# Altium PCB Spektrop2_PCB_Combined_CMV4000_V1.PcbDoc (part 6 of 6)
Units mm, origin at the board's own origin, x right, y up, seen from the top; angles counter-clockwise.
Board outline 87 x 42 mm, 8 copper layers (TOP, L1-GND, L2, L3-1V8, L4-PWR, L5, L6-P2V5, BTM), stack 1.588 mm thick; 353 components, 311 nets, 2431 pads, 951 vias.
Unrouted connection lines stored in the file: 2.
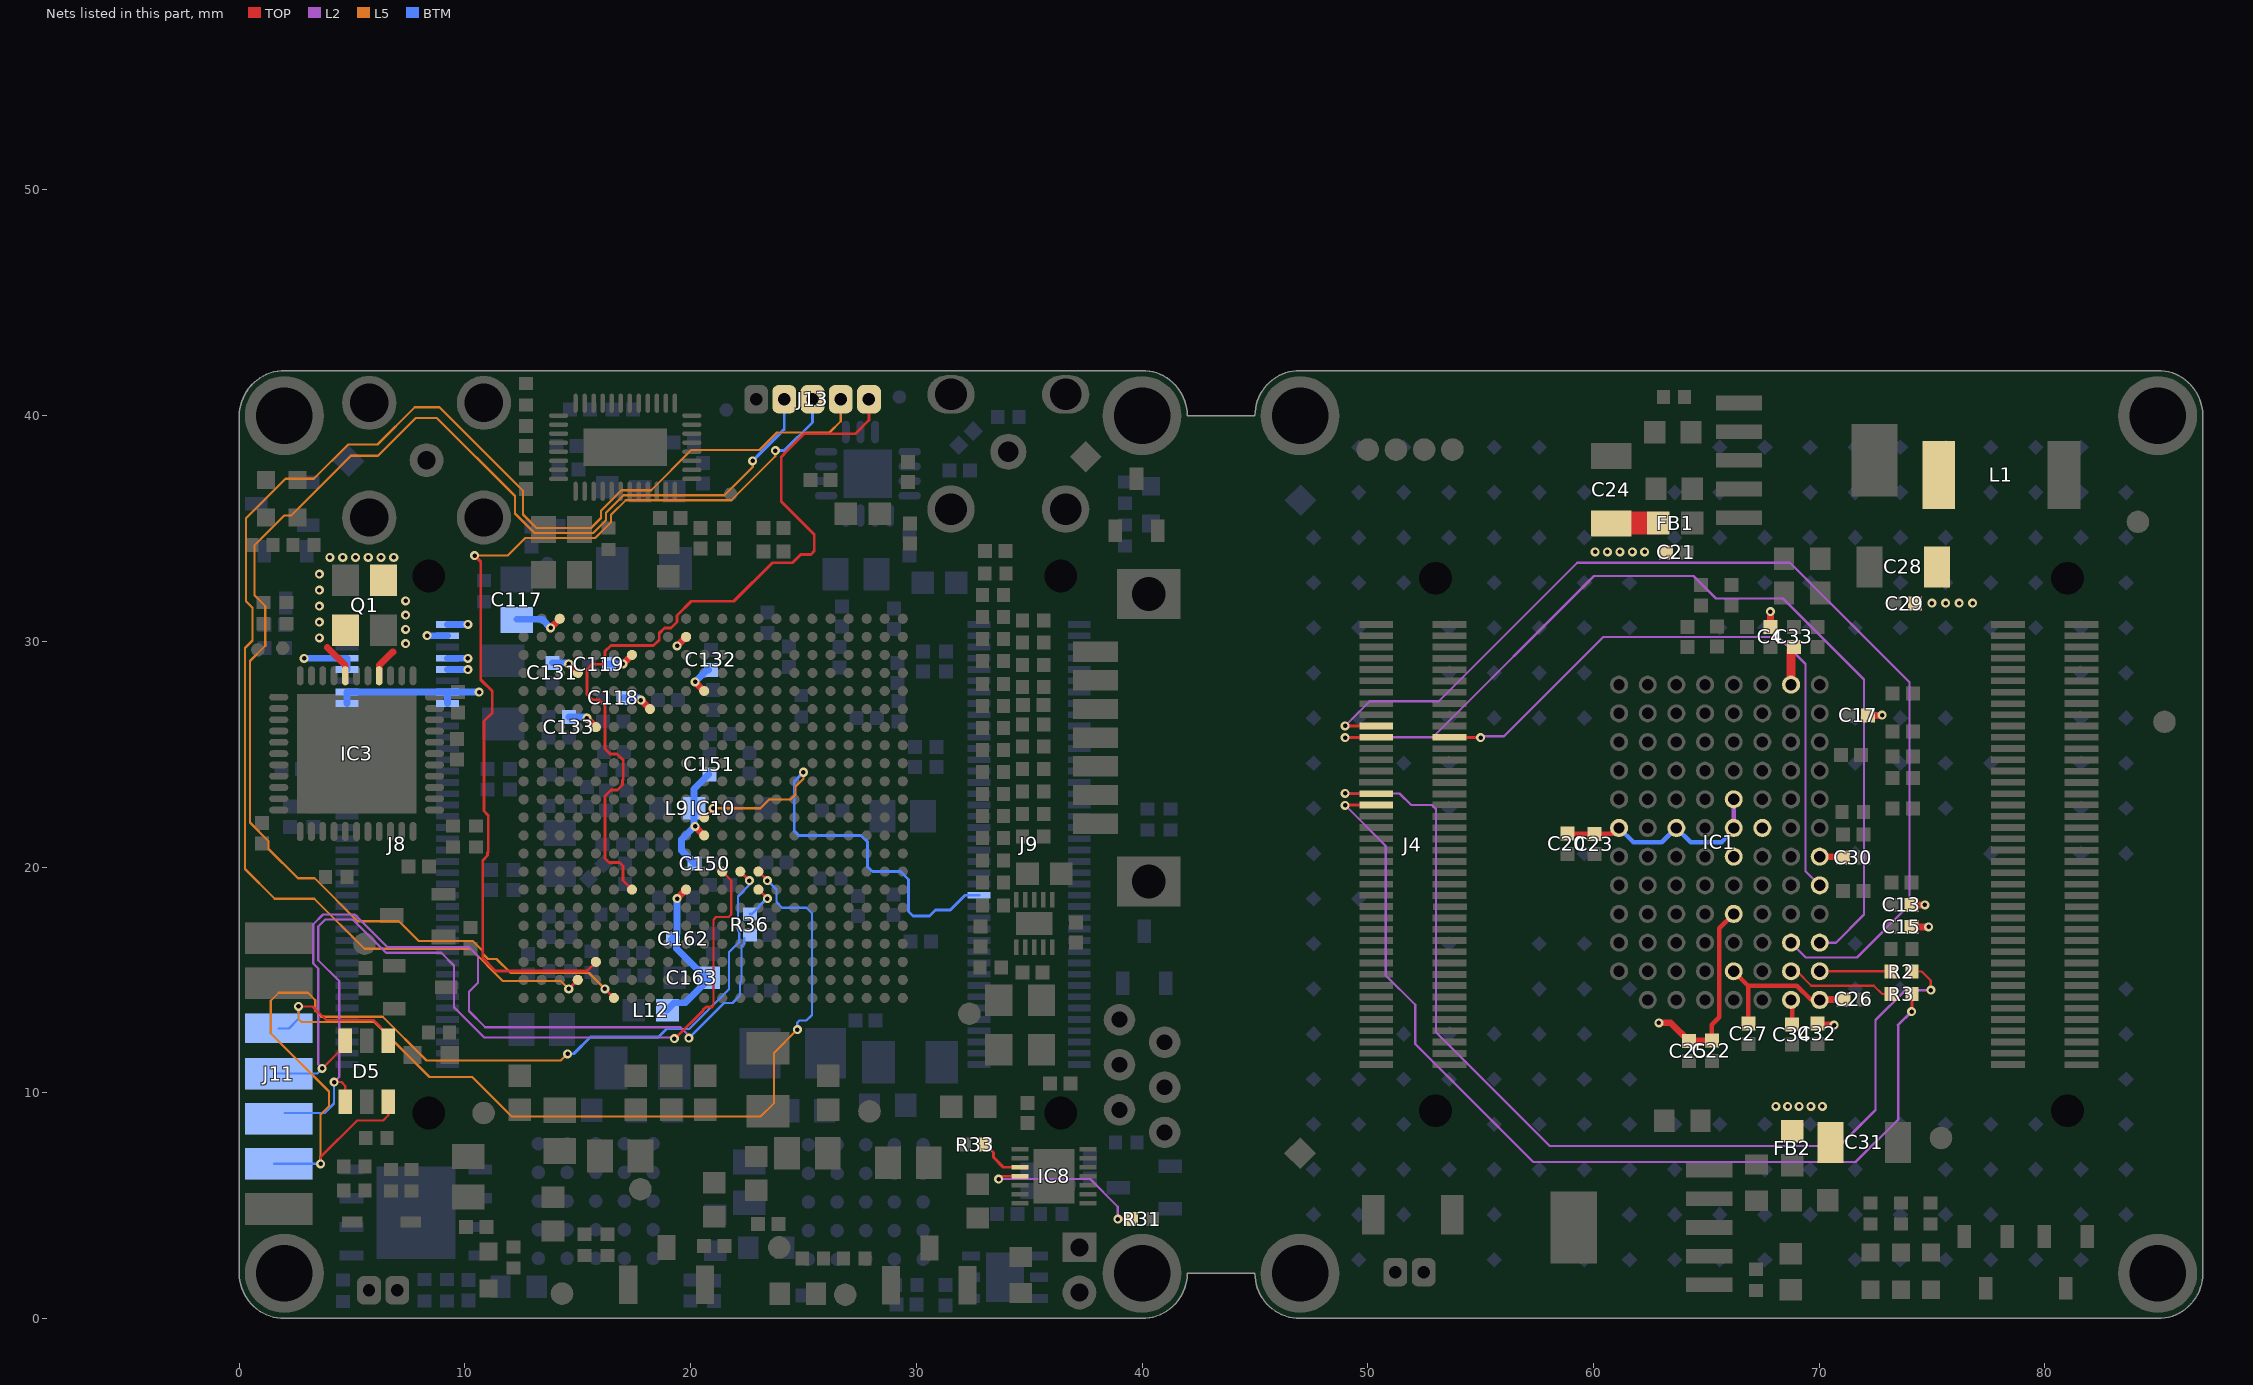
[diagram p12: the nets of this part, all layers, seen from the top]

## Via types
v1: diameter 0.4, hole 0.2, TOP to BTM, tented both sides, 949 vias
v2: diameter 0.4/0.4/0.4/0.4/0.6 (per signal layer), hole 0.2, TOP to BTM, tented top, 2 vias

## Nets (pads, with @x,y where several pads share a name; then routed paths per layer and width w, separated by ;. In a path a pad name is that pad's centre, name@x,y a point inside that pad or via, vN(x,y) a via of type N, cw(c..) or ccw(c..) an arc to the next point about the centre after c; other vN are vias at no path point) (continued)
SYS_RES_N: IC1.H5 J4.21 | length 28.5
  TOP w0.125: J4.21@53.626,25.746 54.987,25.746 v1(54.999,25.733)
  L2 w0.1: v1(54.999,25.733) 55.062,25.796 56.037,25.796 60.437,30.196 68.2,30.196 69.4,28.996 69.4,19.816 IC1.H5@70.025,19.191 IC1.H5@70.286,19.191
T_dig1: J4.32 R2.1 | length 46.3
  TOP w0.1: R2.1@74.088,15.546 74.263,15.371 74.55,15.371 74.95,14.971 v1(74.95,14.546)
  TOP w0.125: v1(49,23.262) 49.012,23.25 J4.32@50.374,23.25
  L2 w0.1: v1(49,23.262) 51.409,23.262 51.925,22.746 52.85,22.746 53.025,22.571 53.025,12.675 58.061,7.639 70.907,7.639 72.5,9.232 72.5,13.221 73.825,14.546 v1(74.95,14.546)
T_dig1_R: IC1.H2 R2.2 | length 3.2
  TOP w0.1: IC1.H2@70.025,15.381 73.013,15.381 R2.2@73.178,15.546
T_dig2: J4.34 R3.1 | length 43.4
  TOP w0.125: v1(49,22.737) 49.012,22.749 J4.34@50.374,22.749 ; v1(74.1,13.596) 74.118,13.614 R3.1@74.118,14.371
  L2 w0.1: v1(49,22.737) 50.8,20.937 50.8,15.196 52.1,13.896 52.1,12.163 57.331,6.932 71.614,6.932 73.5,8.818 73.5,12.996
  L2 w0.125: 73.5,12.996 v1(74.1,13.596)
T_dig2_R: IC1.G2 R3.2 | length 4.9
  TOP w0.1: IC1.G2@68.755,15.381 69.015,15.381 69.65,14.746 72.425,14.746 72.8,14.371 73.003,14.371 R3.2@73.178,14.546
T_Exp1: IC1.H3 J4.22 | length 42.1
  TOP w0.125: v1(49.001,25.733) 49.013,25.746 J4.22@50.375,25.746
  L2 w0.1: v1(49.001,25.733) 49.013,25.746 52.875,25.746 60.025,32.896 64.429,32.896 65.429,31.896 68.4,31.896 71.991,28.305 71.991,17.898 70.745,16.651 IC1.H3@70.025,16.651
T_Exp2: IC1.G3 J4.20 | length 47.9
  TOP w0.125: v1(49.001,26.258) 49.013,26.246 J4.20@50.374,26.246
  L2 w0.1: v1(49.001,26.258) 50.088,27.346 53.15,27.346 59.286,33.482 68.714,33.482 74.007,28.189 74.007,18.328 71.675,15.996 69.41,15.996 IC1.G3@68.755,16.651
TCK: D5.1 IC10.H11 J11.6 | length 40.3
  TOP w0.1: v1(4.2,10.475) 4.525,10.475 4.7,10.3 D5.1@4.7,9.6 ; 20.95,13.805 21.01,13.866 21.01,17.67 21.128,17.787 21.687,17.787 21.8,17.9 21.8,19.399 IC10.H11@21.399,19.8
  TOP w0.125: v1(19.275,12.4) 19.311,12.4 20.559,13.648 20.559,13.684 20.68,13.805 20.95,13.805
  L2 w0.1: v1(4.2,10.475) 4.425,10.7 4.425,14.95 3.5,15.875 3.5,17.368 3.807,17.675 5.025,17.675 6.5,16.2 8.95,16.2 9.519,15.631 9.519,13.775 9.53,13.775 10.856,12.449 19.226,12.449 v1(19.275,12.4) v1@19.275,12.419
  BTM w0.1: J11.6@2,9.1 3.775,9.1 4.2,9.525 v1(4.2,10.475)
TDI: D5.4 IC10.H9 J11.10 | length 42.8
  TOP w0.1: v1(2.625,13.825) 3.25,13.825 3.85,13.225 5.95,13.225 6.6,12.575 D5.4@6.6,12.3
  TOP w0.125: IC10.H9@22.999,19.8 v1(23.399,19.4)
  L5 w0.1: v1(2.625,13.825) 2.625,13.275 2.763,13.137 5.988,13.137 8.425,10.7 10.325,10.7 12.075,8.95 23.1,8.95 23.688,9.538 23.688,11.763 v1(24.725,12.8)
  BTM w0.1: J11.10@1.75,12.85 2.2,12.85 2.625,13.275 v1(2.625,13.825) ; v1@23.4,19.4 23.8,19 23.8,18.45 24.05,18.2 25.129,18.2 25.375,17.954 25.375,17.625 ; v1(24.725,12.8) 24.725,13.1 24.825,13.2 25.125,13.2 25.374,13.449 25.374,17.626
  BTM w0.125: v1(23.399,19.4) v1@23.4,19.4
TDO: D5.6 J11.8 R36.1 | length 37.2
  TOP w0.1: v1(3.675,11.075) 4.7,12.1 D5.6@4.7,12.3
  L2 w0.1: v1(3.675,11.075) 3.5,11.25 3.5,15.5 3.275,15.725 3.275,17.461 3.714,17.9 5.118,17.9 6.568,16.45 10.175,16.45 10.575,16.05 10.575,14.875 10.175,14.475 10.175,13.625 10.9,12.9 19.55,12.9 19.925,12.525 v1(19.925,12.425)
  BTM w0.1: J11.8@1.55,10.85 3.45,10.85 v1(3.675,11.075) ; v1(19.925,12.425) 21.474,13.974 21.849,13.974 22.19,14.315 22.19,14.897 22.249,14.956 22.249,16.479 22.375,16.605 R36.1@22.375,16.85
TDO_R: IC10.G9 R36.2 | length 1.6
  TOP w0.125: IC10.G9@22.999,19 v1(23.399,18.6)
  BTM w0.125: R36.2@22.625,17.92 22.72,17.92 23.028,18.228 23.028,18.262 v1@23.33,18.565
  BTM w0.2: v1@23.33,18.565 v1(23.399,18.6)
TMS: D5.3 IC10.H10 J11.4 | length 44.2
  TOP w0.1: v1(3.6,6.85) 3.6,7.15 5.225,8.775 6.375,8.775 6.6,9 D5.3@6.6,9.6
  TOP w0.125: IC10.H10@22.199,19.8 v1(22.599,19.4)
  L5 w0.1: v1(3.6,6.85) 3.6,9.025 3.975,9.4 3.975,10.05 1.4,12.625 1.4,14.075 1.75,14.425 3.05,14.425 3.372,14.103 3.372,13.628 3.638,13.363 6.356,13.363 8.293,11.425 14.25,11.425 v1(14.55,11.725)
  BTM w0.1: J11.4@1.55,6.85 v1(3.6,6.85) ; 18.925,12.825 19.935,12.825 21.7,14.59 21.7,16.225 22.149,16.674 22.149,17.145 22.1,17.194 22.1,18.7 22.599,19.199 v1(22.599,19.4)
  BTM w0.125: v1(14.55,11.725) 14.821,11.725 15.567,12.471 18.571,12.471 18.925,12.825
UART0_RX: IC10.G16 J13.1 | length 35.2
  TOP w0.125: IC10.G16@17.399,19 17,19.399 17,20.05 16.85,20.2 16.375,20.2 16.2,20.375 16.2,23.148 16.464,23.412 16.76,23.412 16.987,23.639 16.987,23.85 17.012,23.875 17.012,24.735 16.735,25.012 16.439,25.012 16.212,25.239 16.212,27.138 15.938,27.412 15.639,27.412 15.412,27.639 15.412,28.76 15.639,28.987 16.096,28.987 16.212,29.102 16.212,29.56 16.464,29.812 18.36,29.812 18.612,30.064 18.612,30.36 18.839,30.587 19.135,30.587 19.4,30.852 19.4,31.148 20.027,31.775 21.912,31.775 23.619,33.482 24.505,33.482 24.877,33.854 25.329,33.854 25.475,34 25.475,34.733 24.013,36.195 24.013,38.165 24.138,38.289 24.138,38.313 25.025,39.2 27.3,39.2 27.9,39.8 J13.1@27.9,40.725
UART0_TX: IC10.B19 J13.2 | length 67.3
  TOP w0.125: v1(14.599,14.6) IC10.B19@14.999,15
  L5 w0.1: v1(14.599,14.6) 14.249,14.95 11.676,14.95 10.251,16.375 5.55,16.375 3.325,18.6 1.567,18.6 0.25,19.917 0.25,29.7 0.585,30.035 0.585,31.49 0.3,31.775 0.3,35.45 2.05,37.2 3.3,37.2 4.825,38.725 6.125,38.725 7.775,40.375 8.875,40.375 12.575,36.675 12.575,35.625 13.175,35.025 15.589,35.025 16.025,35.461 16.025,35.792 16.933,36.7 18.25,36.7 20.025,38.475 23.05,38.475 23.825,39.25 26.15,39.25 26.65,39.75 J13.2@26.65,40.725
UART1_RX: IC10.A17 J13.4 | length 64.3
  TOP w0.125: v1(16.2,14.6) IC10.A17@16.6,14.201
  L5 w0.1: v1(16.2,14.6) 15.499,15.3 12.025,15.3 11.4,15.925 11.02,15.925 10.8,16.145 10.8,16.268 10.343,16.725 7.95,16.725 7.075,17.6 5.239,17.6 3.339,19.5 2.6,19.5 1.3,20.8 1.3,21.143 0.475,21.968 0.475,29.132 1.15,29.807 1.15,31.568 0.675,32.043 0.675,34.255 1.995,35.575 2.3,35.575 4.95,38.225 6.15,38.225 7.825,39.9 8.75,39.9 12.215,36.435 12.215,35.667 13.082,34.8 15.682,34.8 16.25,35.368 16.25,35.699 17.026,36.475 21.5,36.475 22.75,37.725 v1(22.75,38)
  BTM w0.125: v1(22.75,38) 24.15,39.4 J13.4@24.15,40.725
UART1_TX: IC10.C18 J13.3 | length 42.7
  TOP w0.125: v1(10.425,33.8) 10.7,33.525 10.7,28.3 11.213,27.787 11.213,26.838 10.845,26.47 10.845,22.48 11.035,22.29 11.035,20.665 11.006,20.636 11.006,20.511 10.788,20.292 10.788,15.962 11.35,15.4 15.4,15.4 IC10.C18@15.799,15.8
  L5 w0.1: v1(10.425,33.8) 11.9,33.8 12.675,34.575 15.775,34.575 16.475,35.275 16.475,35.605 17.12,36.25 21.8,36.25 23.75,38.2 v1(23.75,38.45)
  BTM w0.125: v1(23.75,38.45) 24.15,38.45 25.4,39.7 J13.3@25.4,40.725
UART_FPGA_nRE: IC8.4 R31.2 | length 7.9
  TOP w0.125: v1(33.65,6.175) 33.775,6.3 IC8.4@34.6,6.3 ; v1(38.925,4.4) R31.2@39.53,4.4
  L2 w0.1: v1(33.65,6.175) 37.7,6.175 38.925,4.95 v1(38.925,4.4)
UART_FPGA_TX_DE: IC8.3 R33.1 | length 2.1
  TOP w0.125: R33.1@33.07,7.7 33.412,7.358 33.412,7.139 33.852,6.7 IC8.3@34.6,6.7
VCC_ADC: C150.1 C151.1 IC10.K12 L9.1 | length 5.3
  TOP w0.3: v1(20.199,21.8) IC10.K12@20.599,21.4
  BTM w0.3: L9.1@20.149,22.6 v1@20.149,21.85 ; L9.1@20.15,22.6 20.15,23.45 C151.1@20.8,24.1 ; C150.1@20.175,20.15 19.6,20.725 19.6,21.225 20.149,21.774 v1@20.149,21.85 ; v1(20.199,21.8) v1@20.149,21.85
VCCO_13: C117.1 C118.1 C119.1 C131.1 C132.1 C133.1 IC10.AA13 IC10.AB20 IC10.T18 IC10.U15 IC10.V12 IC10.W19 IC10.Y16 J8.1 J8.3 J8.7 J8.8 J8.9 J8.10 J8.13 J8.14 J8.15 J8.16 | length 22.3
  TOP w0.3: v1(13.799,30.6) IC10.AB20@14.199,31 ; v1(14.599,29) IC10.W19@14.999,28.6 ; v1(15.399,26.6) IC10.T18@15.799,26.2 ; v1(16.999,29) IC10.Y16@17.399,29.4 ; v1(17.799,27.4) IC10.U15@18.199,27 ; v1(19.399,29.8) IC10.AA13@19.799,30.2 ; v1(20.199,28.2) IC10.V12@20.599,27.8
  BTM w0.125: v1@16.99,28.991 v1(16.999,29)
  BTM w0.3: v1(2.875,29.25) J8.8@4.775,29.25 J8.10@4.775,28.75 ; J8.16@4.775,27.25 J8.14@4.775,27.75 J8.13@9.225,27.75 ; v1(8.325,30.25) J8.3@9.225,30.25 ; J8.15@9.225,27.25 J8.13@9.225,27.75 ; J8.9@9.225,28.75 v1(10.125,28.75) ; J8.7@9.225,29.25 v1(10.125,29.25) ; J8.1@9.225,30.75 v1(10.125,30.75) ; v1(10.625,27.75) J8.13@9.225,27.75 ; C117.1@12.3,30.982 13.417,30.982 v1(13.799,30.6) ; C131.1@13.869,29.05 14.549,29.05 v1(14.599,29) ; C133.1@14.599,26.65 15.349,26.65 v1(15.399,26.6) ; C119.1@16.386,28.991 v1@16.99,28.991 ; C118.1@17.024,27.5 17.699,27.5 v1(17.799,27.4) ; v1(20.199,28.2) 20.725,28.725 C132.1@20.8,28.725
VCCPLL: C162.1 C163.1 IC10.G13 L12.2 | length 7.4
  TOP w0.3: v1(19.399,18.6) IC10.G13@19.799,19
  BTM w0.3: L12.2@18.95,13.668 19.267,13.985 19.746,13.985 20.01,14.248 C163.1@20.762,15 ; v1(19.399,18.6) 19.399,17.05 19.149,16.8 19.374,16.574 19.374,16.388 C163.1@20.762,15 ; C163.1@20.85,15 C163.1@20.762,15
VDD20: C20.1 C21.1 C22.1 C23.1 C24.2 C25.2 FB1.2 IC1.A7 IC1.C7 IC1.E4 IC1.E7 IC1.E8 | length 20.7
  TOP w0.2: C20.1@58.849,21.477 60.036,21.477 C23.1@60.043,21.47 60.874,21.47 IC1.A7@61.135,21.731
  TOP w0.203: C22.1@65.25,12.308 65.25,13.019 65.574,13.343 65.574,17.28 IC1.E4@66.215,17.921
  TOP w0.3: v1(62.9,13.1) 63.421,13.1 C25.2@64.225,12.296 64.237,12.308 C22.1@65.25,12.308
  TOP w1: C24.2@60.797,35.217 60.822,35.242 FB1.2@62.872,35.242
  L2 w0.2: IC1.E7@66.175,21.675 66.215,21.715 IC1.E7@66.215,21.731 IC1.E8@66.215,23.001
  BTM w0.2: IC1.A7@61.135,21.731 61.76,21.106 62.664,21.106 62.67,21.1 63.025,21.1 IC1.C7@63.65,21.725 ; IC1.C7@63.675,21.731 64.306,21.1 65.675,21.1 66.225,21.65 IC1.E7@66.225,21.725
  other v1: 60.072,33.967 60.622,33.967 61.172,33.967 61.722,33.967 62.272,33.967
VDD33: C4.1 C13.1 C15.1 C17.1 C26.1 C27.1 C28.2 C29.2 C30.2 IC1.E2 IC1.F7 IC1.H1 IC1.H6 L1.2 | length 10.8
  TOP w0.203: IC1.E2@66.215,15.381 66.85,14.746 ; C27.1@66.875,13.063 66.85,13.088 66.85,14.746 ; IC1.H1@70.025,14.111 69.644,14.111 69.009,14.746 66.85,14.746
  TOP w0.3: IC1.H6@70.025,20.461 71.012,20.461 C30.2@71.056,20.417 ; C13.1@74.1,18.321 v1(74.686,18.321)
  TOP w0.305: C4.1@67.841,30.646 v1(67.841,31.321) ; IC1.H1@70.025,14.111 70.05,14.136 C26.1@71.074,14.136 ; C17.1@72.175,26.721 72.78,26.721 v1(72.794,26.735) ; C15.1@74.1,17.346 v1@74.847,17.346
  other v1: 74.847,17.347 75,31.696 75.6,31.696 76.2,31.696 76.8,31.696
VDDpix: C31.2 C32.2 C33.2 C34.2 FB2.2 IC1.E6 IC1.G1 IC1.G12 | length 3.4
  TOP w0.203: IC1.G1@68.755,14.111 68.806,14.06 C34.2@68.806,13.03 ; C32.2@69.923,13.062 70.591,13.062 v1(70.66,12.993)
  TOP w0.4: IC1.G12@68.755,28.081 C33.2@68.755,29.626
  other v1: 68.085,9.396 68.6,9.396 69.115,9.396 69.631,9.396 70.146,9.396
XTAL_GND: IC3.4 IC3.7 Q1.2 Q1.4 | length 2.9
  TOP w0.125: IC3.7@4.675,28.4 IC3.7@4.7,28.375
  TOP w0.3: 3.9,29.725 4.7,28.925 IC3.7@4.7,28.475 ; IC3.4@6.2,28.475 6.2,28.934 6.791,29.525 6.825,29.525
  other v1: 7.375,29.9 3.55,30.15 7.375,30.53 3.55,30.856 7.375,31.16 3.55,31.562 7.375,31.79 3.55,32.269 3.55,32.975 4.02,33.725 4.585,33.725 5.15,33.725 5.715,33.725 6.28,33.725 6.845,33.725
ZYNQ_ADC: IC10.L12 J9.50 | length 20
  TOP w0.125: IC10.L12@20.599,22.2 v1(20.999,22.6)
  L5 w0.1: v1(20.999,22.6) 23.093,22.6 23.487,22.993 24.425,22.993 24.649,23.217 24.649,23.567 24.999,23.917 v1(24.999,24.2)
  BTM w0.125: v1(24.999,24.2) 24.592,23.792 24.592,21.602 24.79,21.404 27.551,21.404 27.837,21.118 27.837,20.013 28.05,19.8 29.3,19.8 29.65,19.45 29.65,18.037 29.852,17.835 30.581,17.835 30.846,18.1 31.5,18.1 32.15,18.75 J9.50@32.775,18.75
pads on no net: D6.2 Designator25.1 Designator26.1 Designator27.1 Designator28.1 IC1.F11 IC1.G7 IC1.H12 IC2.5 IC2.6 IC2.7 IC2.15 IC2.16 IC3.1 IC3.2 IC3.10 IC3.11 IC3.12 IC3.22 IC3.29 IC3.30 IC3.31 IC3.34 IC3.35 IC3.36 IC3.41 IC3.42 IC3.43 IC3.44 IC4.A5 IC4.B4 IC4.C3 IC4.C4 IC4.E5 IC5.A5 IC5.B4 IC5.C3 IC5.D4 IC5.E5 IC8.7 IC9.2 IC9.3 IC9.9 IC9.22 IC9.23 IC10.A9 IC10.A10 IC10.A11 IC10.A12 IC10.A14 IC10.A15 IC10.A16 IC10.AA11 IC10.AA12 IC10.AA14 IC10.AA15 IC10.AA16 IC10.AA17 IC10.AA19 IC10.AA20 IC10.AA21 IC10.AA22 IC10.AB11 IC10.AB12 IC10.AB13 IC10.AB14 IC10.AB16 IC10.AB17 IC10.AB18 IC10.AB19 IC10.AB21 IC10.AB22 IC10.B9 IC10.B11 IC10.B12 IC10.B13 IC10.B14 IC10.B16 IC10.B17 IC10.B21 IC10.B22 IC10.C9 IC10.C10 IC10.C11 IC10.C13 IC10.C15 IC10.C16 IC10.C19 IC10.C20 IC10.C21 IC10.D10 IC10.D11 IC10.D12 IC10.D13 IC10.D15 IC10.D16 IC10.D17 IC10.D20 IC10.D21 IC10.D22 IC10.E4 IC10.E9 IC10.E10 IC10.E12 IC10.E13 IC10.E14 IC10.E15 IC10.E17 IC10.E20 IC10.E22 IC10.F1 IC10.F2 IC10.F4 IC10.F9 IC10.F10 IC10.F11 IC10.F12 IC10.F14 IC10.F15 IC10.F19 IC10.F20 IC10.F21 IC10.F22 IC10.G1 IC10.G2 IC10.G4 IC10.G11 IC10.G17 IC10.G18 IC10.G19 IC10.G21 IC10.G22 IC10.H1 IC10.H5 IC10.H6 IC10.H16 IC10.H18 IC10.H19 IC10.H20 IC10.H21 IC10.J16 IC10.J17 IC10.J18 IC10.J20 IC10.J21 IC10.J22 IC10.K17 IC10.K18 IC10.K19 IC10.K20 IC10.K22 IC10.L16 IC10.L17 IC10.L19 IC10.L20 IC10.L21 IC10.L22 IC10.M16 IC10.M17 IC10.M18 IC10.M19 IC10.M21 IC10.M22 IC10.N16 IC10.N18 IC10.N19 IC10.N20 IC10.N21 IC10.P16 IC10.P17 IC10.P18 IC10.P20 IC10.P21 IC10.P22 IC10.R17 IC10.R18 IC10.R19 IC10.R20 IC10.R22 IC10.T17 IC10.T19 IC10.T20 IC10.T21 IC10.T22 IC10.U13 IC10.U14 IC10.U16 IC10.U17 IC10.U18 IC10.U19 IC10.U21 IC10.U22 IC10.V16 IC10.V18 IC10.V19 IC10.V20 IC10.V21 IC10.W16 IC10.W17 IC10.W18 IC10.W20 IC10.W21 IC10.W22 IC10.Y12 IC10.Y13 IC10.Y14 IC10.Y15 IC10.Y17 IC10.Y18 IC10.Y19 IC10.Y20 IC10.Y22 IC11.6 IC12.9 IC13.5 J4.2 J4.4 J4.6 J4.81 J4.82 J5.1 J5.2 J5.3 J5.4 J5.7 J5.8 J5.9 J5.10 J5.13 J5.14 J5.16 J5.19 J5.20 J5.21 J5.22 J5.25 J5.26 J5.27 J5.28 J5.31 J5.32 J5.33 J5.34 J5.37 J5.38 J5.41 J5.42 J5.43 J5.44 J5.48 J5.50 J5.81 J5.82 J8.2 J8.4 J8.6 J8.81 J8.82 J9.81 J9.82 J11.12 J11.14
copper on no net: | length 1.1
  TOP w0.125: v2(14.599,29.8) 14.999,29.4 ; v2(15.399,29.8) 15.799,29.4

## Polygon pours and split planes (outlines as drawn)
P3V3 on BTM "BTM_P3V3" (solid, pour order 124): 32.875,3.65 32.875,0.65 30.725,0.65 30.725,2.275 32.1,3.65
P1V8 on BTM "BTM_P1V8" (solid, pour order 96): 28.925,9.96 28.925,11 29.575,11 29.575,13.575 27,13.575 27,9.96
P1V0 on BTM "BTM_P1V0" (solid, remove dead copper, pour order 80): 19.7,11.8 21.271,13.371 24.4,13.371 24.4,10.25 19.7,10.25
P1V2 on BTM "BTM_P1V2" (solid, pour order 6): 11.75,7.925 11.75,7.1 13.025,7.1 14.79,7.1 14.79,10 11.75,10
P2V5 on BTM "BTM_P2V5" (solid, pour order 130): 38.525,5.25 36.025,5.25 36.025,3.175 38.525,3.175
P3V3_L on BTM "BTM_P1V2" (solid, pour order 54): 31.85,10.725 31.85,7.06 28.78,7.06 28.78,10.725
P3V3 on BTM "BTM_P3V3" (solid, pour order 134): 32.4,10.75 34.375,10.75 34.375,8.15 34.4,8.125 32.4,8.125
P1V0_L on BTM "BTM_P1V0_L" (solid, pour order 14): 18.595,8.3 20.15,8.3 20.15,7.1 19.825,7.1 18.325,7.1 16.68,7.1 16.68,10 18.595,10
GND on BTM "BTM_GND" (solid, remove dead copper, pour order 20): 14.921,10 16.6,10 16.6,5.7 14.921,5.7
P12V0 on BTM "BTM_P12V" (solid, remove dead copper, pour order 22): 11.625,6.81 11.625,4.198 11.721,4.198 12.659,3.26 18.931,3.26 20.246,4.575 20.24,6.809 18.97,6.816 17.7,6.816 15.795,4.911 13.89,6.816 12.62,6.816
GND on BTM "BTM_GND" (solid, remove dead copper, pour order 38): 21.545,6.802 21.545,5.395 20.24,5.395 20.24,8.271 18.695,8.277 18.695,10 21.545,10
GND on BTM "BTM_GND" (solid, remove dead copper, pour order 50): 24.585,7.144 21.545,7.144 21.545,9.96 24.585,9.96
P12V0 on BTM "BTM_P12V" (solid, remove dead copper, pour order 48): 22.9,5.794 23.6,6.494 23.6,6.769 24.585,6.776 25.855,6.776 27.76,4.871 29.665,6.776 30.935,6.776 31.874,6.771 31.88,4.205 31.566,3.89 23.954,3.89 23.686,4.158 21.84,4.158 21.84,5.794
GND on BTM "BTM_GND" (solid, remove dead copper, pour order 52): 26.886,9.96 28.681,9.96 28.681,9.775 28.681,5.66 26.886,5.66
P1V8_L on BTM "BTM_P1V2" (solid, pour order 58): 24.802,7.06 26.755,7.06 26.755,9.96 24.802,9.96
P12V0 on TOP "TOP_P12V0" (solid, remove dead copper, pour order 42): 8.875,6.275 12.796,6.275 12.796,4.65 8.875,4.65
GND on TOP "TOP_GND" (solid, remove dead copper, pour order 40): 9.125,7.425 10.275,8.575 11.35,8.575 11.35,6.25 9.125,6.25
GND on TOP "TOP_GND" (solid, pour order 150): 60.25,6.196 60.25,2.021 56.8,2.021 56.8,6.196
P3V3 on TOP "TOP_P3V3" (solid, pour order 148): 63.522,40.017 63.522,38.492 63.522,37.567 65.072,37.567 65.072,40.017
VDD20 on TOP "TOP_VDD20" (solid, pour order 146): 59.447,35.867 63.622,35.867 63.622,33.417 59.447,33.417
GND on TOP "TOP_GND" (solid, pour order 144): 70.375,41.321 70.375,34.671 73.875,34.671 73.825,34.721 73.825,41.321
VDD33 on TOP "TOP_P3V3_L" (solid, pour order 142): 73.925,39.621 73.925,31.421 77.025,31.421 77.025,39.621
P3V3 on TOP "TOP_P3V3" (solid, pour order 140): 79.2,39.596 82.6,39.596 82.6,34.996 79.2,34.996
VDDpix on TOP "TOP_VDDPIX" (solid, pour order 138): 71.501,9.996 71.501,6.596 67.7,6.596 67.7,9.996
P3V3 on TOP "TOP_P3V3" (solid, pour order 136): 66.3,4.446 66.3,2.046 71,2.046 71,4.446
P12V0 on TOP "TOP_P12V0" (solid, remove dead copper, pour order 78): 29.1,3.76 25.878,3.76 24.978,4.66 22.498,4.66 22.498,6.2 24.825,6.2 24.825,5.55 30.625,5.55 30.625,6.05 31.025,6.05 31.855,5.22 33.475,5.22 33.475,3.76 30.99,3.76
P1V2 on TOP "TOP_P1V2" (solid, pour order 132): 27.625,36.25 27.625,33.7 29.175,33.7 29.175,36.25
MGTAVTT on TOP "TOP_P1V2" (solid, remove dead copper, pour order 92): 14.75,12 14.75,10.125 11.668,10.125 11.668,10.943 12.725,12
P1V0_L on TOP "TOP_P1V0_L" (solid, remove dead copper, pour order 102): 20.075,8.15 21.59,8.15 21.59,9.875 16.75,9.875 16.75,6.3 20.075,6.3
P1V0 on TOP "BTM_P1V0" (solid, remove dead copper, pour order 28): 18.494,11.975 20,11.975 20.775,12.75 24.4,12.75 24.4,10.125 18.484,10.125
XTAL_GND on TOP "TOP_XTAL_GND" (solid, pour order 108): 4.525,28.925 3.375,30.075 3.375,33.425 3.825,33.875 6.9,33.875 7.575,33.2 7.575,29.7 7.2,29.325 6.775,29.325 6.45,29 6.1,29 6.625,29.525 6.625,32.55 5.9,33.275 4.375,33.275 4.2,33.1 4.2,30.45 4.7,29.95 4.7,28.925
P1V8_L on TOP "TOP_P1V2" (solid, remove dead copper, pour order 76): 24.965,8.31 24.965,9.875 26.715,9.875 26.715,5.845 26.715,5.81 26.65,5.81 24.965,5.81
GND on TOP "TOP_GND" (solid, remove dead copper, pour order 66): 24.85,9.875 24.85,6.3 21.604,6.3 21.604,9.875
P12V0 on TOP "TOP_P12V0" (solid, remove dead copper, pour order 44): 18.629,6.804 18.629,5.431 20.3,3.76 21.6,3.76 21.6,5.26 20.24,5.26 20.24,6.263 19.699,6.804
GND on TOP "TOP_GND" (solid, remove dead copper, pour order 30): 22.2,8.425 20.24,8.425 20.24,6.523 20.24,5.26 22.2,5.26